# KiCad board sandevistan58_left.kicad_pcb
title: Sandevistan43; date: 2025-06-01; rev: 0.2; company: islathehut; note: Left Side
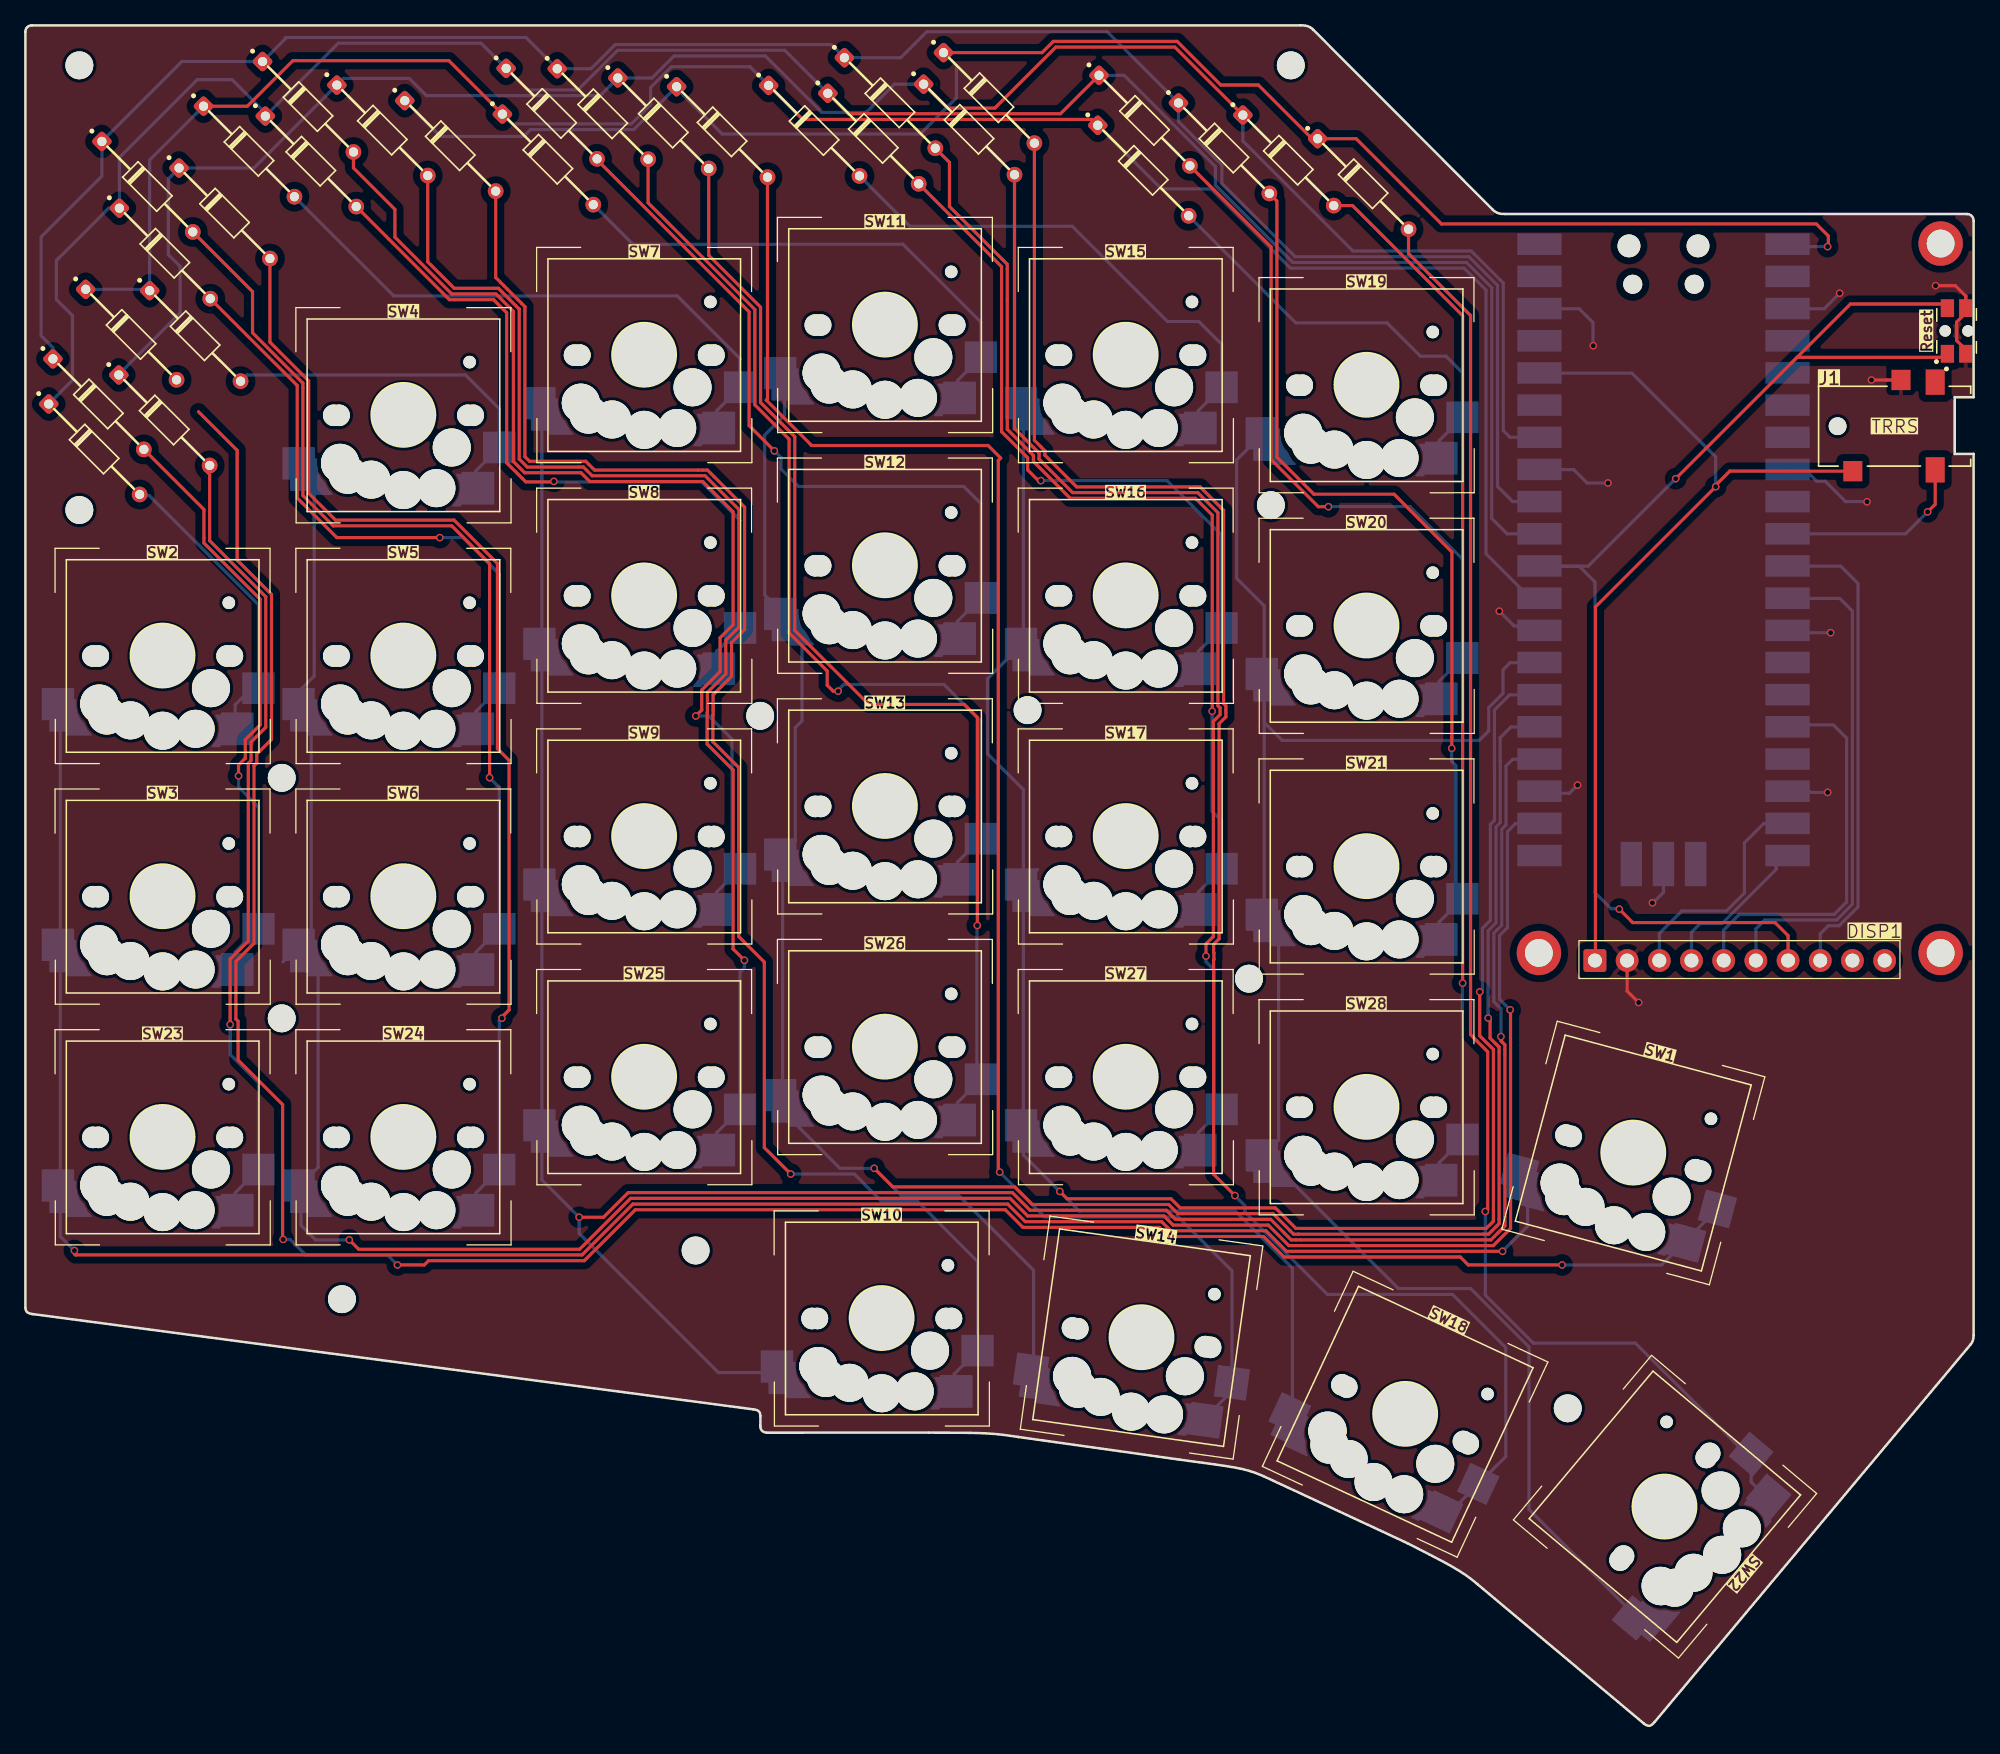
[diagram p0: board, top side]
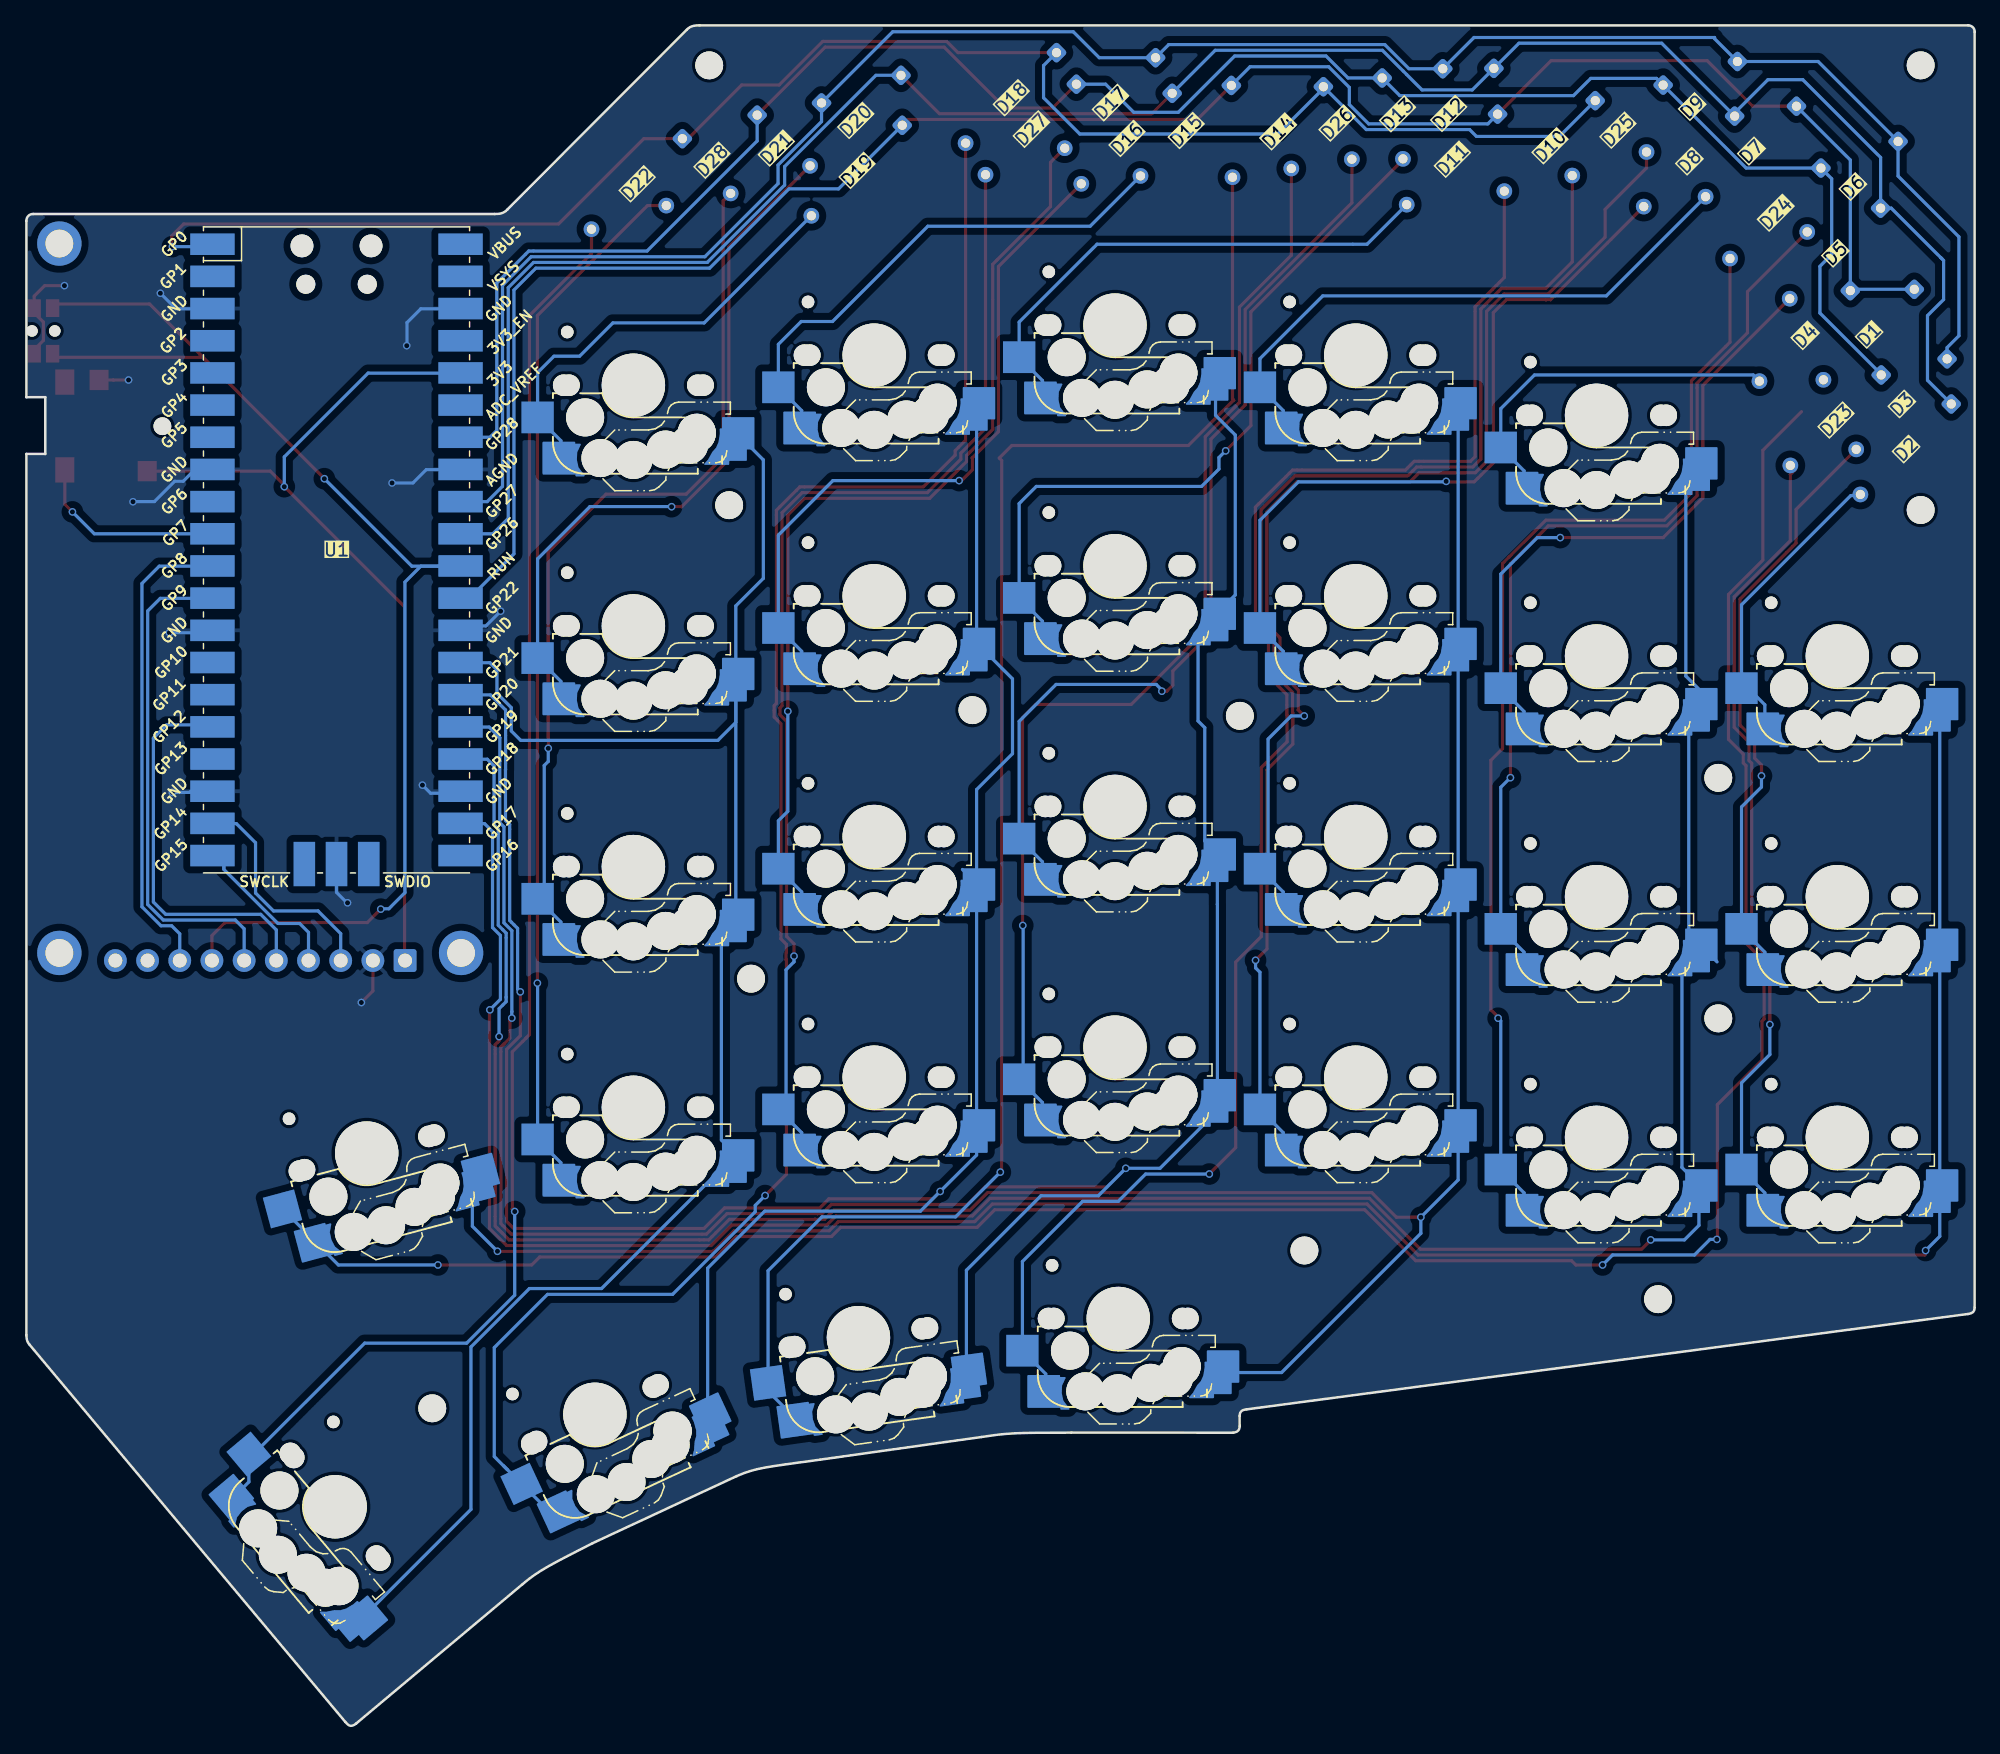
[diagram p1: board, bottom side, seen from below]

Outline 153.73 x 134.46 mm; copper layers: Top, Bottom. Coordinates in mm from the lower left corner of the outline.
Outline path: 0.01,33.23 0.01,133.96 ; 0.5,134.46 100.62,134.46 ; 57.47,25.2 0.54,32.73 ; 58,24.69 58,23.88 ; 58.51,23.37 71.27,23.37 ; 91.11,21.23 78.37,23.02 ; 109.07,14.63 97.69,19.93 ; 115.79,119.91 101.63,134.11 ; 116.78,119.57 153.2,119.57 ; 127.71,0.41 114.59,11.4 ; 153.47,30.3 128.57,0.53 ; 153.73,119.03 153.73,105.11 152.24,105.11 152.24,100.63 153.73,100.63 153.73,31.05
Stack: Top 0.035mm / dielectric 1.51mm FR4 er 4.5 / Bottom 0.035mm

## Placement (name value [footprint] x y rotation side)
D1  D  [TH 1N4148 Diode (long)]  8.35 110.07 315 top
D2  D  [TH 1N4148 Diode (long)]  5.43 101.01 315 top
D3  D  [TH 1N4148 Diode (long)]  5.76 104.57 315 top
D4  D  [TH 1N4148 Diode (long)]  13.4 109.96 315 top
D5  D  [TH 1N4148 Diode (long)]  11.01 116.47 315 top
D6  D  [TH 1N4148 Diode (long)]  9.63 121.74 315 top
D7  D  [TH 1N4148 Diode (long)]  17.65 124.52 315 top
D8  D  [TH 1N4148 Diode (long)]  22.53 123.74 315 top
D9  D  [TH 1N4148 Diode (long)]  22.31 128.05 315 top
D10  D  [TH 1N4148 Diode (long)]  33.53 124.96 315 top
D11  D  [TH 1N4148 Diode (long)]  41.23 123.89 315 top
D12  D  [TH 1N4148 Diode (long)]  41.53 127.51 315 top
D13  D  [TH 1N4148 Diode (long)]  45.56 127.48 315 top
D14  D  [TH 1N4148 Diode (long)]  54.98 126.06 315 top
D15  D  [TH 1N4148 Diode (long)]  62.24 126.16 315 top
D16  D  [TH 1N4148 Diode (long)]  66.91 125.54 315 top
D17  D  [TH 1N4148 Diode (long)]  68.22 128.35 315 top
D18  D  [TH 1N4148 Diode (long)]  76.04 128.75 315 top
D19  D  [TH 1N4148 Diode (long)]  88.21 123.02 315 top
D20  D  [TH 1N4148 Diode (long)]  88.31 126.96 315 top
D21  D  [TH 1N4148 Diode (long)]  94.58 124.78 315 top
D22  D  [TH 1N4148 Diode (long)]  105.56 121.96 315 top
D23  D  [TH 1N4148 Diode (long)]  10.96 103.31 315 top
D24  D  [TH 1N4148 Diode (long)]  15.72 119.64 315 top
D25  D  [TH 1N4148 Diode (long)]  28.17 126.19 315 top
D26  D  [TH 1N4148 Diode (long)]  50.34 126.75 315 top
D27  D  [TH 1N4148 Diode (long)]  74.47 126.26 315 top
D28  D  [TH 1N4148 Diode (long)]  99.66 123.82 315 top
DISP1  DFR0664  [DFR0664_2in_RGB_TFT_Display_3_standoff]  105.02 76.65 180 top
J1  TRRS  [CUI_SJ2-35954A-SMT-TR]  147.5 102.82 180 top
Ref**  Val**  [MountingHole_2.2mm_M2_DIN965]  98.28 96.58 0 top
Ref**#2  Val**  [MountingHole_2.2mm_M2_DIN965]  121.71 25.29 0 top
Ref**#3  Val**  [MountingHole_2.2mm_M2_DIN965]  20.23 75.06 0 top
Ref**#4  Val**  [MountingHole_2.2mm_M2_DIN965]  20.23 56.07 0 top
Ref**#5  Val**  [MountingHole_2.2mm_M2_DIN965]  4.26 96.2 0 top
Ref**#6  Val**  [MountingHole_2.2mm_M2_DIN965]  96.55 59.2 0 top
Ref**#7  Val**  [MountingHole_2.2mm_M2_DIN965]  52.89 37.75 0 top
Ref**#8  Val**  [MountingHole_2.2mm_M2_DIN965]  99.85 131.31 0 top
Ref**#9  Val**  [MountingHole_2.2mm_M2_DIN965]  79.08 80.4 0 top
Ref**#10  95.5931  [MountingHole_2.2mm_M2_DIN965]  4.26 131.31 0 top
Ref**#11  Val**  [MountingHole_2.2mm_M2_DIN965]  24.98 33.9 0 top
Ref**#12  Val**  [MountingHole_2.2mm_M2_DIN965]  57.98 79.95 0 top
RSW1  SW_PUSH  [SW_EVQ-P7C01P]  152.39 110.34 90 top
SW1  SW_PUSH  [Universal Switch Footprint (1u)]  126.78 45.56 345 top
SW2  SW_PUSH  [Universal Switch Footprint (1u)]  10.71 84.77 0 top
SW3  SW_PUSH  [Universal Switch Footprint (1u)]  10.71 65.77 0 top
SW4  SW_PUSH  [Universal Switch Footprint (1u)]  29.71 103.77 0 top
SW5  SW_PUSH  [Universal Switch Footprint (1u)]  29.71 84.77 0 top
SW6  SW_PUSH  [Universal Switch Footprint (1u)]  29.71 65.77 0 top
SW7  SW_PUSH  [Universal Switch Footprint (1u)]  48.71 108.52 0 top
SW8  SW_PUSH  [Universal Switch Footprint (1u)]  48.71 89.52 0 top
SW9  SW_PUSH  [Universal Switch Footprint (1u)]  48.71 70.52 0 top
SW10  SW_PUSH  [Universal Switch Footprint (1u)]  67.45 32.47 0 top
SW11  SW_PUSH  [Universal Switch Footprint (1u)]  67.71 110.89 0 top
SW12  SW_PUSH  [Universal Switch Footprint (1u)]  67.71 91.89 0 top
SW13  SW_PUSH  [Universal Switch Footprint (1u)]  67.71 72.89 0 top
SW14  SW_PUSH  [Universal Switch Footprint (1u)]  87.97 30.97 352 top
SW15  SW_PUSH  [Universal Switch Footprint (1u)]  86.71 108.52 0 top
SW16  SW_PUSH  [Universal Switch Footprint (1u)]  86.71 89.52 0 top
SW17  SW_PUSH  [Universal Switch Footprint (1u)]  86.71 70.52 0 top
SW18  SW_PUSH  [Universal Switch Footprint (1u)]  108.8 24.95 335 top
SW19  SW_PUSH  [Universal Switch Footprint (1u)]  105.71 106.14 0 top
SW20  SW_PUSH  [Universal Switch Footprint (1u)]  105.71 87.14 0 top
SW21  SW_PUSH  [Universal Switch Footprint (1u)]  105.71 68.14 0 top
SW22  SW_PUSH  [Universal Switch Footprint (1.5u)]  129.37 17.52 230 top
SW23  SW_PUSH  [Universal Switch Footprint (1u)]  10.71 46.77 0 top
SW24  SW_PUSH  [Universal Switch Footprint (1u)]  29.71 46.77 0 top
SW25  SW_PUSH  [Universal Switch Footprint (1u)]  48.71 51.52 0 top
SW26  SW_PUSH  [Universal Switch Footprint (1u)]  67.71 53.89 0 top
SW27  SW_PUSH  [Universal Switch Footprint (1u)]  86.71 51.52 0 top
SW28  SW_PUSH  [Universal Switch Footprint (1u)]  105.71 49.14 0 top
U1  Pico  [RPi_Pico_SMD_TH_no_through_holes]  129.26 93.05 180 bottom

## Library data of the parts
D1-D28 = -: Description: Diode; Sim.Pins: 1=K 2=A; ki_fp_filters: TO-???* *_Diode_* *SingleDiode* D_*
DISP1 = -: Description: Connector for DFR0664 2" IPS display; ki_fp_filters: Connector*:*_1x??_*
J1 = -: MF: Same Sky; MAXIMUM_PACKAGE_HEIGHT: 5 mm; Package: None; Price: None; Check_prices: https://www.snapeda.com/parts/SJ2-35954A-SMT-TR/Same+Sky/view-part/?ref=eda; STANDARD: Manufacturer Recommendations; PARTREV: 1.04; SnapEDA_Link: https://www.snapeda.com/parts/SJ2-35954A-SMT-TR/Same+Sky/view-part/?ref=snap; MP: SJ2-35954A-SMT-TR; Description_1: 3.5 mm, Stereo, Right Angle, Surface Mount (SMT), 4 Conductors, 0 Internal Switches, Audio Jack Connector; Availability: In Stock; MANUFACTURER: CUI Devices
RSW1 = -: PARTREV: 2022.4; STANDARD: Manufacturer Recommendations; SNAPEDA_PN: TL6340AF160Q; MAXIMUM_PACKAGE_HEIGHT: 1.35mm; MANUFACTURER: Panasonic Electronic Components; MF: Panasonic; Package: None; Price: None; Check_prices: https://www.snapeda.com/parts/EVQP7C01P/Panasonic/view-part/?ref=eda; SnapEDA_Link: https://www.snapeda.com/parts/EVQP7C01P/Panasonic/view-part/?ref=snap; MP: EVQP7C01P; Description_1: TACTILE SW, SPST-NO, 0.05A, 12V, SMD; Product Range:EVQP7 Series; Actuator Orientation:Side Actuated; Switch Mounting:SMD; Actuator Style:Rectangular Button; Actuating Force:220gf; Contact Rating:50mA at 12VDC; Switch Dimensions (L xRoHS Compliant: Yes; Availability: In Stock; Label: Reset

## Footprints (pads in the part's own frame, mm; a bottom-side part is the same pattern mirrored in y, then rotated)
CUI_SJ2-35954A-SMT-TR
  round 1.4 hole 1.4 unplated: (4.5,0)
  rect 1.5x2 smd: 1(-3.2,-3.48) 4(-3.2,3.45)
  rect 1.5x1.6 smd: 2(3.3,3.55) 3(-0.5,-3.65)
DFR0664_2in_RGB_TFT_Display_3_standoff
  rrect 1.8x1.8 hole 1.1: 1(-18.83,16.01)
  round 1.8 hole 1.1: 2(-21.37,16.01) 3(-23.91,16.01) 4(-26.45,16.01) 5(-28.99,16.01) 6(-31.53,16.01) 7(-34.07,16.01) 8(-36.61,16.01) 9(-39.15,16.01) 10(-41.69,16.01)
  round 3.5 hole 2.2: NPTH(-46.11,15.41) NPTH(-46.11,-40.59) NPTH(-14.41,15.41)
MountingHole_2.2mm_M2_DIN965
  round 2.2 hole 2.2 unplated: (0,0)
RPi_Pico_SMD_TH_no_through_holes
  oval 1.8x1.8 hole 1.8 unplated: (-2.725,24) (2.725,24)
  oval 1.5x1.5 hole 1.5 unplated: (-2.425,20.97) (2.425,20.97)
  rect 3.5x1.7 smd: 1(-8.89,24.13) 2(-8.89,21.59) 3(-8.89,19.05) 4(-8.89,16.51) 5(-8.89,13.97) 6(-8.89,11.43) 7(-8.89,8.89) 8(-8.89,6.35) 9(-8.89,3.81) 10(-8.89,1.27) 11(-8.89,-1.27) 12(-8.89,-3.81) 13(-8.89,-6.35) 14(-8.89,-8.89) 15(-8.89,-11.43) 16(-8.89,-13.97) 17(-8.89,-16.51) 18(-8.89,-19.05) 19(-8.89,-21.59) 20(-8.89,-24.13) 21(8.89,-24.13) 22(8.89,-21.59) 23(8.89,-19.05) 24(8.89,-16.51) 25(8.89,-13.97) 26(8.89,-11.43) 27(8.89,-8.89) 28(8.89,-6.35) 29(8.89,-3.81) 30(8.89,-1.27) 31(8.89,1.27) 32(8.89,3.81) 33(8.89,6.35) 34(8.89,8.89) 35(8.89,11.43) 36(8.89,13.97) 37(8.89,16.51) 38(8.89,19.05) 39(8.89,21.59) 40(8.89,24.13)
  rect 1.7x3.5 smd: 41(-2.54,-23.9) 42(0,-23.9) 43(2.54,-23.9)
SW_EVQ-P7C01P
  round 0.9 hole 0.9 unplated: (0,0.9) (0,-0.9)
  rect 1.4x1.05 smd: 1_1(-1.8,0.725) 1_2(1.8,0.725) 2_1(-1.8,-0.725) 2_2(1.8,-0.725)
TH 1N4148 Diode (long)
  rrect 1.238x1.238 hole 0.73: 1(-5.053,-0.02)
  round 1.238 hole 0.73: 2(5.07,0)
Universal Switch Footprint (1.5u)
  round 1.702 hole 1.702 unplated: (-5.5,0) (-5.08,0) (5.08,0) (5.5,0)
  round 0.991 hole 0.991 unplated: (-5.22,-4.2)
  round 3 hole 3 unplated: (-3.81,2.54) (-2.6,5.75) (0,5.9) (2.54,5.08) (4.4,4.7) (5,3.8) (5,3.75)
  round 5 hole 5.05 unplated: (0,0)
  custom 3.96x3.77 smd far side: 1(8.08,3.72)
  rect 2.55x2.5 smd far side: 2(-7.56,2.54)
  custom 3.32x2.74 smd far side: 2(-5.72,5.75)
Universal Switch Footprint (1u)
  round 1.702 hole 1.702 unplated: (-5.375,-0.09) (-4.955,-0.09) (5.205,-0.09) (5.625,-0.09)
  round 3 hole 3 unplated: (-4.875,-3.84) (-4.875,-3.89) (-4.275,-4.79) (-2.415,-5.17) (0.125,-5.99) (2.725,-5.84) (3.935,-2.63)
  round 5 hole 5.05 unplated: (0.125,-0.09)
  round 0.991 hole 0.991 unplated: (5.345,4.11)
  custom 3.96x3.77 smd far side: 1(-7.955,-3.81)
  custom 3.32x2.74 smd far side: 2(5.845,-5.84)
  rect 2.55x2.5 smd far side: 2(7.685,-2.63)

## Nets
GND: DISP1.2 J1.3 RSW1.2_1 RSW1.2_2 U1.3 U1.8 U1.13 U1.18 U1.23 U1.28 U1.33 U1.38 U1.42
VCC: DISP1.1 J1.2 U1.36
col0: SW1.1 SW2.1 SW3.1 SW23.1 U1.21
col1: SW4.1 SW5.1 SW6.1 SW24.1 U1.22
col2: SW7.1 SW8.1 SW9.1 SW10.1 SW25.1 U1.24
col3: SW11.1 SW12.1 SW13.1 SW14.1 SW26.1 U1.25
col4: SW15.1 SW16.1 SW17.1 SW18.1 SW27.1 U1.26
col5: SW19.1 SW20.1 SW21.1 SW22.1 SW28.1 U1.27
D_C: DISP1.8 U1.11
data: J1.4 U1.10
MISO: DISP1.5 U1.16
MOSI: DISP1.4 U1.20
reset: DISP1.7 RSW1.1_1 RSW1.1_2 U1.30
row0: D1.1 D4.1 D7.1 D11.1 D15.1 D19.1 U1.29
row1: D2.1 D5.1 D8.1 D12.1 D16.1 D20.1 U1.31
row2: D3.1 D6.1 D9.1 D13.1 D17.1 D21.1 U1.32
row3: D23.1 D24.1 D25.1 D26.1 D27.1 D28.1 U1.34
row4: D10.1 D14.1 D18.1 D22.1 U1.1
SCLK: DISP1.3 U1.19
SPI_CS: DISP1.6 U1.12
Net-(D1-A): D1.2 SW1.2
Net-(D2-A): D2.2 SW2.2
Net-(D3-A): D3.2 SW3.2
Net-(D4-A): D4.2 SW4.2
Net-(D5-A): D5.2 SW5.2
Net-(D6-A): D6.2 SW6.2
Net-(D7-A): D7.2 SW7.2
Net-(D8-A): D8.2 SW8.2
Net-(D9-A): D9.2 SW9.2
Net-(D10-A): D10.2 SW10.2
Net-(D11-A): D11.2 SW11.2
Net-(D12-A): D12.2 SW12.2
Net-(D13-A): D13.2 SW13.2
Net-(D14-A): D14.2 SW14.2
Net-(D15-A): D15.2 SW15.2
Net-(D16-A): D16.2 SW16.2
Net-(D17-A): D17.2 SW17.2
Net-(D18-A): D18.2 SW18.2
Net-(D19-A): D19.2 SW19.2
Net-(D20-A): D20.2 SW20.2
Net-(D21-A): D21.2 SW21.2
Net-(D22-A): D22.2 SW22.2
Net-(D23-A): D23.2 SW23.2
Net-(D24-A): D24.2 SW24.2
Net-(D25-A): D25.2 SW25.2
Net-(D26-A): D26.2 SW26.2
Net-(D27-A): D27.2 SW27.2
Net-(D28-A): D28.2 SW28.2

Pads without a net: DISP1 9 10 NPTH; J1 1; U1 2 4 5 6 7 9 14 15 17 35 37 39 40 41 43

## Via types
v1: diameter 0.6, hole 0.4, Top to Bottom, 51 vias

## Routing (per net, layer and track width the routed paths; a pad name or vN(x,y) marks a point on that pad's centre or on a via; arc(x,y) is an arc through that point)
GND: length 58.1
  Top w0.25: J1.3 146.88,106.47 146.87,106.46 v1(145.67,106.46) ; v1(150.73,113.91) 152.29,113.91 153.12,113.09 RSW1.2_2 153.12,111.76 152.39,111.04 152.39,109.58 153.12,108.86 RSW1.2_1 ; v1(127.3,57.32) 126.39,58.23 DISP1.2
  Bottom w0.25: v1(145.32,96.85) 145.31,96.87 143.63,96.87 142.03,98.47 141.36,98.47 140.4,99.43 138.19,99.43 138.16,99.39 ; 120.38,86.69 120.02,87.05 117.48,87.05 v1(116.31,88.21) ; v1(142.45,86.52) 138.32,86.52 138.16,86.69 ; 120.38,112.09 122.61,112.09 123.7,111 123.7,109.2 v1(123.72,109.17) ; v1(128.39,65.19) 128.43,65.19 129.26,66.02 U1.42 ; 138.16,73.99 140.77,73.99 140.85,73.91 v1(142.22,73.91) ; v1(124.88,98.34) 123.23,98.34 122.18,99.39 120.38,99.39 ; 120.38,73.99 120.52,73.84 121.84,73.84 v1(122.48,74.48) ; v1(143.16,113.31) 141.94,112.09 138.16,112.09
VCC: length 70.9
  Top w0.25: J1.2 139.02,99.27 139.01,99.27 134.49,99.27 133.38,98.16 v1(133.38,98.04) 123.89,88.55 123.89,60.68 DISP1.1
  Bottom w0.25: v1(133.38,98.04) 133.38,100.39 126.77,107.01 120.38,107.01
col0: length 167.1
  Top w0.25: v1(3.87,37.74) 3.87,37.47 3.95,37.39 43.92,37.39 47.94,41.41 77.51,41.41 78.9,40.02 89.66,40.02 90.38,39.3 97.89,39.3 99.51,37.68 v1(116.56,37.68)
  Bottom w0.25: v1(3.87,37.74) 2.76,38.86 SW23.1 SW3.1 SW2.1 ; SW1.1 118.54,43.51 118.54,39.66 v1(116.56,37.68)
col1: length 199.4
  Top w0.25: v1(117.16,56.74) 117.19,56.71 117.19,54.18 117.19,54.18 117.19,39.5 115.83,38.14 99.7,38.14 98.08,39.76 90.57,39.76 89.85,40.48 79.09,40.48 77.7,41.87 47.75,41.87 43.73,37.84 26.3,37.84 v1(25.56,38.58)
  Bottom w0.25: SW6.1 20.33,60.53 ; SW6.1 23.1,60.61 23.1,44.3 SW24.1 21.75,39.73 22.9,38.58 v1(25.56,38.58) ; SW6.1 22.56,62.76 22.56,80.15 SW5.1 ; 21.75,82.06 22.79,83.09 22.79,98.92 SW4.1 ; v1(117.16,56.74) 116.33,57.58 116.33,62.62 116.95,63.24 116.95,70.82 117.58,71.45 120.38,71.45
col2: length 204.1
  Top w0.25: v1(43.7,40.37) 45.63,40.37 47.57,42.32 77.88,42.32 79.27,40.93 90.03,40.93 90.75,40.21 98.26,40.21 99.88,38.59 115.65,38.59 116.74,39.68 116.74,53.99 116.44,54.29 116.44,54.62 v1(116.43,54.63)
  Bottom w0.25: SW10.1 58.95,28.11 54.68,28.11 43.7,39.1 v1(43.7,40.37) 40.75,43.32 SW25.1 SW9.1 SW8.1 SW7.1 ; 120.38,76.53 117.37,76.53 116.83,75.99 116.83,71.34 116.5,71.01 116.5,63.43 115.88,62.8 115.88,57.39 116.43,56.84 v1(116.43,54.63)
col3: length 191.1
  Top w0.25: v1(66.98,44.24) 68.45,42.77 78.07,42.77 79.46,41.38 90.22,41.38 90.94,40.66 98.45,40.66 100.07,39.04 115.46,39.04 116.29,39.87 116.29,53.8 115.58,54.51 115.58,55.91 115.43,56.06 v1(115.43,56.09)
  Bottom w0.25: SW26.1 59.75,48.76 64.28,44.24 v1(66.98,44.24) 69.14,42.07 73.67,42.07 79.56,36.19 SW14.1 ; v1(115.43,56.09) 115.43,56.59 115.43,56.6 115.43,62.99 116.05,63.62 116.05,71.19 116.38,71.52 116.38,76.37 116.37,76.38 116.37,78.23 117.22,79.07 120.38,79.07 ; SW11.1 59.9,106.94 59.9,103.68 58.34,102.12 58.34,89.5 SW12.1 61.28,86.56 61.28,79.55 60.75,79.02 60.75,70.08 SW13.1 59.75,65.08 59.75,65.08 59.75,48.51 59.42,48.18
col4: length 183.3
  Top w0.25: v1(81.63,42.41) 82.21,41.83 90.41,41.83 91.13,41.11 98.64,41.11 100.26,39.49 115.27,39.49 115.84,40.06 115.84,53.62 114.76,54.7 v1(114.76,58.16) 114.74,58.18
  Bottom w0.25: 120.38,81.61 117.12,81.61 115.92,80.41 115.92,75.71 115.93,75.7 115.93,71.71 115.6,71.38 115.6,63.8 114.97,63.18 114.97,58.38 v1(114.76,58.16) ; SW15.1 SW16.1 ; SW16.1 79.87,84.59 ; SW16.1 75.92,82.87 75.92,76.96 78.75,74.13 SW17.1 ; SW17.1 SW27.1 78.75,45.28 v1(81.63,42.41) 83.18,40.85 95.47,40.85 99.98,36.35 SW18.1 ; SW17.1 79.87,67.82
col5: length 143.4
  Bottom w0.25: 120.38,84.15 117.16,84.15 116.6,83.59 116.6,81.73 115.47,80.6 115.47,78.76 114.72,78.01 99.17,78.01 97.75,79.43 SW20.1 ; SW20.1 SW21.1 98.89,63.2 98.89,46.47 SW28.1 108.34,34.74 114.04,34.74 118.65,30.13 118.65,17.31 SW22.1 ; SW20.1 97.75,88.63 95.58,90.8 95.58,100.16 SW19.1
D_C: length 38.5
  Bottom w0.25: 138.16,91.77 143.25,91.77 144.61,90.4 144.61,64.88 143.11,63.38 142.27,63.38 141.63,62.74 DISP1.8
data: length 16.3
  Top w0.25: J1.4 150.7,96.65 v1(150.1,96.05) 150.03,96.12
  Bottom w0.25: v1(150.1,96.05) 148.37,94.32 U1.10
MISO: length 32
  Bottom w0.25: 138.16,79.07 138.32,79.24 142.67,79.24 143.71,78.19 143.71,65.26 142.74,64.28 135.24,64.28 134.01,63.05 DISP1.5
MOSI: length 13
  Bottom w0.25: DISP1.4 131.47,62.86 132.17,63.56 133.88,63.56 138.15,67.83 U1.20 ; 138.16,68.91 138.16,67.94
reset: length 98.9
  Top w0.25: v1(125.77,64.69) 126.83,63.63 138.06,63.63 139.09,62.6 DISP1.7 ; 139.35,107.8 139.8,108.25 151.38,108.25 RSW1.1_1 ; 139.35,107.8 144.01,112.46 151.34,112.46 RSW1.1_2 ; 139.35,107.8 v1(130.22,98.67)
  Bottom w0.25: 121.24,91.77 123.32,91.77 v1(130.22,98.67) ; 121.24,91.77 120.38,91.77 ; 121.24,91.77 122.61,91.77 123.86,90.51 123.86,65.99 125.13,64.72 125.74,64.72 v1(125.77,64.69)
row0: length 163.5
  Top w0.25: D7.1 17.52,128.08 21.11,131.67 33.42,131.67 D11.1 ; D19.1 84.16,127.03 61.34,127.03 D15.1
  Bottom w0.25: D1.1 9.7,113.62 D4.1 9.81,123.83 D7.1 ; D15.1 57.18,131.19 50.97,131.19 49.34,129.56 49.34,128.21 47.82,126.69 38.41,126.69 D11.1 ; U1.29 118.76,89.24 115.26,92.74 115.26,113.56 113.53,115.29 99.82,115.29 93.56,121.55 89.64,121.55 D19.1
row1: length 175
  Top w0.25: D20.1 81.69,127.49 64.93,127.49 D16.1
  Bottom w0.25: 2.68,116.13 6.58,120.03 D5.1 7.42,124.03 13.56,130.17 16.31,130.17 18.94,127.55 D8.1 24.69,133.05 35.95,133.05 D12.1 39.64,129.37 43.6,129.37 46.73,132.49 59.92,132.49 D16.1 ; 2.68,116.13 2.45,115.9 2.45,112.81 3.72,111.54 3.72,106.45 2.12,104.85 ; 2.68,116.13 2.56,116.01 ; U1.31 116.92,94.32 115.71,95.53 115.71,113.75 113.72,115.75 100.01,115.75 93.9,121.85 93.9,123.31 86.7,130.52 D20.1
row2: length 166.8
  Bottom w0.25: U1.32 117.37,96.86 116.16,98.07 116.16,113.94 113.9,116.2 100.19,116.2 94.42,121.97 94.42,123.43 90.99,126.86 D21.1 85.37,133.95 71.12,133.95 69.07,131.91 D17.1 63.59,132.94 46.54,132.94 44.64,131.04 D13.1 39.5,133.5 20.52,133.5 20.52,133.41 D9.1 12.35,131.61 D6.1 6.04,122.56 1.24,117.76 1.24,109.95 2.17,109.02 D3.1
row3: length 158.9
  Top w0.25: D28.1 90.7,132.74 81.31,132.74 76.5,127.94 72.76,127.94 D27.1
  Bottom w0.25: D28.1 96.07,125.34 104.76,116.65 114.09,116.65 116.61,114.12 116.61,102.48 117.15,101.94 U1.34 ; 6.99,106.53 12.21,111.75 12.21,115.43 11.28,116.36 11.28,122.35 D24.1 18.03,123.2 D25.1 25.11,130.27 30.29,130.27 31.65,128.91 45.36,128.91 D26.1 49.45,130.31 51.18,132.04 58.39,132.04 62.84,127.59 66.35,127.59 68.57,129.82 D27.1
row4: length 134.8
  Top w0.25: v1(142.21,116.99) 142.27,116.93 142.27,117.83 141.32,118.78 111.74,118.78 105.01,125.51 D22.1 101.53,125.51 97.29,129.75 94.33,129.75 90.89,133.2 81.11,133.2 80.22,132.31 D18.1
  Bottom w0.25: D18.1 73.47,131.29 73.47,128.74 70.61,125.88 54.98,125.88 51.39,129.48 D14.1 48.01,126.23 39.85,126.23 39.31,125.69 32.76,125.69 D10.1 ; U1.1 140.27,117.18 140.46,116.99 v1(142.21,116.99)
SCLK: length 17.3
  Bottom w0.25: DISP1.3 128.93,62.76 130.72,64.55 134.24,64.55 135.65,65.97 135.65,69.93 137.17,71.45 138.16,71.45
SPI_CS: length 40.5
  Bottom w0.25: 138.16,89.23 143.17,89.23 144.16,88.23 144.16,65.07 142.93,63.83 137.24,63.83 136.55,63.14 DISP1.6
Net-(D1-A): length 189.9
  Top w0.25: v1(121.26,36.6) 113.86,36.6 113.23,37.23 99.32,37.23 97.7,38.85 90.19,38.85 89.47,39.57 78.71,39.57 77.32,40.96 48.13,40.96 44.11,36.94 31.81,36.94 31.47,36.6 v1(29.36,36.6) ; 13.66,103.96 16.71,100.91 16.71,92.25 19.42,89.54 19.42,78.1 18.26,76.93 18.26,76.24 18.04,76.02 18.04,62 16.61,60.57 16.61,56.02 16.79,55.84 16.79,52.78 20.3,49.26 20.3,38.66 v1(20.34,38.62)
  Bottom w0.25: v1(20.34,38.62) 20.88,38.62 22.11,37.39 28.57,37.39 v1(29.36,36.6) ; v1(121.26,36.6) 129.11,36.6 SW1.2 130.91,38.42 SW1.2
Net-(D2-A): length 23.9
  Bottom w0.25: SW2.2 16.56,80.83 17.87,82.14 SW2.2 18.4,88.72 9.77,97.34 9.1,97.34 D2.2
Net-(D3-A): length 47
  Top w0.25: v1(16.82,75.21) 16.82,76.07 17.36,76.61 17.36,78.07 18.52,79.23 18.52,89.16 14.09,93.59 14.09,96.24 D3.2
  Bottom w0.25: v1(16.82,75.21) 16.82,74.33 18.4,72.76 SW3.2 16.56,61.3 SW3.2
Net-(D4-A): length 28.8
  Bottom w0.25: D4.2 17.47,106.86 34.73,106.86 37.4,104.2 SW4.2 35.56,99.3 SW4.2
Net-(D5-A): length 50
  Top w0.25: D5.2 21.45,106.03 21.45,97.15 24.58,94.02 v1(32.7,94.02)
  Bottom w0.25: v1(32.7,94.02) 34.51,94.02 37.4,91.14 SW5.2 35.56,80.3 SW5.2
Net-(D6-A): length 74.5
  Top w0.25: D6.2 17.93,113.44 17.93,110.19 21.9,106.21 21.9,97.34 24.29,94.95 33.64,94.95 36.63,91.96 v1(36.63,75.07)
  Bottom w0.25: v1(36.63,75.07) 37.4,74.31 SW6.2 35.56,61.3 SW6.2
Net-(D7-A): length 46.7
  Bottom w0.25: SW7.2 54.56,104.05 SW7.2 56.4,108.15 51.44,113.1 29.06,113.1 D7.2
Net-(D8-A): length 60
  Top w0.25: v1(41.7,98.46) 41.66,98.42 39.49,98.42 39.22,98.69 39.21,98.69 38.06,99.85 38.06,99.86 37.98,99.93 37.98,111.77 36.95,112.8 33.46,112.8 D8.2
  Bottom w0.25: v1(41.7,98.46) 41.74,98.42 53.36,98.42 56.4,95.39 SW8.2 54.56,85.05 SW8.2
Net-(D9-A): length 86.1
  Top w0.25: D9.2 25.89,123.2 29.16,119.93 29.16,117.74 33.65,113.26 37.14,113.26 38.51,111.88 38.51,100.04 39.4,99.14 43.85,99.14 44.54,98.45 53.45,98.45 55.85,96.05 55.85,87.14 54.82,86.11 54.82,83.44 53.37,81.99 53.37,80.41 v1(52.9,79.94)
  Bottom w0.25: v1(52.9,79.94) 53.93,79.94 55.75,78.12 55.75,68.53 SW9.2 54.56,66.05 SW9.2
Net-(D10-A): length 125.7
  Top w0.25: D10.2 37.11,114.56 39.42,112.25 39.42,100.41 39.79,100.05 44.22,100.05 44.91,99.36 53.82,99.36 56.75,96.43 56.75,86.77 55.72,85.74 55.72,83.07 54.27,81.62 54.27,80.04 54.25,80.02 54.25,77.91 56.29,75.87 56.29,62.53 58.31,60.51 58.31,45.86 v1(60.39,43.78)
  Bottom w0.25: v1(60.39,43.78) 65.42,43.78 67.58,41.62 70.39,41.62 75.14,36.88 SW10.2 73.3,28 SW10.2
Net-(D11-A): length 41.2
  Bottom w0.25: SW11.2 73.56,106.42 SW11.2 75.4,111.04 69.25,117.18 47.94,117.18 D11.2
Net-(D12-A): length 58.8
  Top w0.25: D12.2 45.11,123.84 57.11,111.84 57.11,102.86 v1(59.1,100.87)
  Bottom w0.25: v1(59.1,100.87) 59.63,100.34 59.63,99.43 61,98.06 74.04,98.06 75.4,96.71 SW12.2 73.56,87.42 SW12.2
Net-(D13-A): length 74.4
  Top w0.25: v1(64.14,81.9) 63.75,81.9 63.27,82.37 63.27,83.5 60.26,86.51 60.26,101.8 57.56,104.5 57.56,112.03 49.14,120.45 D13.2
  Bottom w0.25: SW13.2 73.56,68.42 SW13.2 75.4,79.52 72.48,82.43 64.58,82.43 64.14,81.99 v1(64.14,81.9)
Net-(D14-A): length 128.8
  Top w0.25: D14.2 58.56,104.97 58.46,104.87 62.04,101.29 75.97,101.29 76.96,100.3 76.77,100.11 76.77,44.04 v1(76.88,43.93)
  Bottom w0.25: SW14.2 95.21,26.65 SW14.2 95.21,36.15 90.95,40.4 80.41,40.4 v1(76.88,43.93)
Net-(D15-A): length 41.4
  Bottom w0.25: SW15.2 92.56,104.05 SW15.2 94.4,109.28 92.59,111.08 90.12,111.08 82.6,118.6 69.79,118.6 D15.2
Net-(D16-A): length 55
  Top w0.25: D16.2 77.03,115.41 77.03,102.38 79.09,100.32 79.09,99.36 80.01,98.44 80.09,98.52 v1(80.13,98.52)
  Bottom w0.25: SW16.2 92.56,85.05 SW16.2 94.4,94.22 90.09,98.52 v1(80.13,98.52)
Net-(D17-A): length 76
  Top w0.25: v1(93.65,80.31) 93.65,95.8 92.33,97.12 82.45,97.12 79.54,100.03 79.54,100.51 77.48,102.57 77.48,115.6 72.92,120.16 72.92,123.64 D17.2
  Bottom w0.25: v1(93.65,80.31) 93.65,72.41 94.4,71.67 SW17.2 92.56,66.05 SW17.2
Net-(D18-A): length 138.8
  Top w0.25: v1(95.44,42.08) 93.76,43.76 93.76,60.7 93.79,60.72 93.79,61.24 93.76,61.27 93.76,61.92 94.19,62.35 94.19,79.33 94.73,79.87 94.73,80.76 94.55,80.94 94.55,96.18 92.7,98.03 82.95,98.03 80.44,100.53 80.44,100.88 79.62,101.71 D18.2
  Bottom w0.25: 115.79,20.46 SW18.2 112.52,17.19 SW18.2 ; 115.79,20.46 116.09,20.76 ; 115.79,20.46 116.81,21.48 116.81,30.08 112.61,34.28 102.74,34.28 96.22,40.81 96.22,41.31 v1(95.44,42.08)
Net-(D19-A): length 34.2
  Bottom w0.25: D19.2 100.25,110.97 107.45,110.97 110.08,108.34 112.1,108.34 113.4,107.05 SW19.2 111.56,101.67 SW19.2
Net-(D20-A): length 56
  Top w0.25: 102.79,96.49 v1(102.82,96.46) 102.02,96.46 98.3,100.18 98.3,116.96 D20.2
  Bottom w0.25: SW20.2 111.56,82.67 SW20.2 113.4,92.34 109.26,96.47 102.83,96.47 v1(102.82,96.46)
Net-(D21-A): length 69.7
  Top w0.25: D21.2 98.75,120.6 98.75,100.37 101.67,97.45 108,97.45 112.56,92.89 112.56,78.24 112.55,78.23 v1(112.55,77.39)
  Bottom w0.25: SW21.2 111.56,63.67 SW21.2 112.87,66.04 112.87,76.03 112.55,76.35 v1(112.55,77.39)
Net-(D22-A): length 117
  Top w0.25: v1(115.2,40.82) 115.39,41.01 115.39,53.43 114.31,54.51 114.31,54.52 114.04,54.79 114.04,111.56 109.14,116.45 D22.2
  Bottom w0.25: SW22.2 136.18,19.48 SW22.2 135.8,21.68 127.04,30.43 118.99,30.43 115.2,34.22 v1(115.2,40.82)
Net-(D23-A): length 63.3
  Top w0.25: v1(16.16,55.58) 16.16,60.75 17.59,62.18 17.59,76.21 17.81,76.42 17.81,77.88 18.97,79.05 18.97,89.35 14.54,93.78 14.54,99.01 14.16,99.39
  Bottom w0.25: SW23.2 16.56,42.3 SW23.2 18.4,50.98 16.16,53.21 v1(16.16,55.58)
Net-(D24-A): length 89.5
  Top w0.25: D24.2 19.3,109.45 22.35,106.4 22.35,97.53 24.48,95.41 33.83,95.41 37.25,91.98 37.25,77.36 38.17,76.44 38.17,56.74 37.6,56.17 v1(37.6,56.08)
  Bottom w0.25: SW24.2 35.56,42.3 SW24.2 37.4,55.88 v1(37.6,56.08)
Net-(D25-A): length 100.1
  Top w0.25: v1(56.74,60.65) 55.84,61.55 55.84,75.68 53.8,77.72 53.8,80.21 53.82,80.23 53.82,81.81 55.27,83.26 55.27,85.93 56.3,86.96 56.3,96.24 53.64,98.91 44.72,98.91 44.03,99.6 39.6,99.6 38.97,100.23 38.97,112.06 37.32,113.71 33.83,113.71 31.75,115.79 D25.2
  Bottom w0.25: v1(56.74,60.65) 56.74,60.06 56.4,59.71 SW25.2 54.56,47.05 SW25.2
Net-(D26-A): length 89.2
  Top w0.25: v1(75.11,63.4) 75.12,63.41 75.12,79.82 74.09,80.85 66.55,80.85 60.71,86.69 60.71,101.99 58.01,104.69 58.01,112.22 53.92,116.31 D26.2
  Bottom w0.25: SW26.2 73.56,49.42 SW26.2 75.08,51.58 75.08,63.37 v1(75.11,63.4)
Net-(D27-A): length 91.2
  Top w0.25: D27.2 78.05,102.64 79.99,100.7 79.99,100.22 82.64,97.58 92.52,97.58 94.1,95.99 94.1,80.75 94.28,80.57 94.28,80.05 93.74,79.52 93.74,62.53 93.16,61.95 v1(93.16,60.98)
  Bottom w0.25: SW27.2 92.56,47.05 SW27.2 93.79,49.49 93.79,59.9 93.16,60.53 v1(93.16,60.98)
Net-(D28-A): length 82.8
  Top w0.25: D28.2 104.72,120.23 113.41,111.54 v1(113.41,58.85)
  Bottom w0.25: SW28.2 111.56,44.67 SW28.2 113.4,58.84 v1(113.41,58.85)

## Copper pours and planes (outline as drawn; the poured copper is in the pictures)
GND on Top: -15.47,142.86 169.72,142.86 184.37,19.43 140.62,-4.76 -13.13,22.77 -15.78,25.42 -15.78,142.55
GND on Bottom: -15.47,141.93 167.4,141.93 174.78,15.67 141.29,-5.22 -13.13,21.84 -15.78,24.49 -15.78,141.62
